# KiCad board Wrap030-Multiuser.kicad_pcb
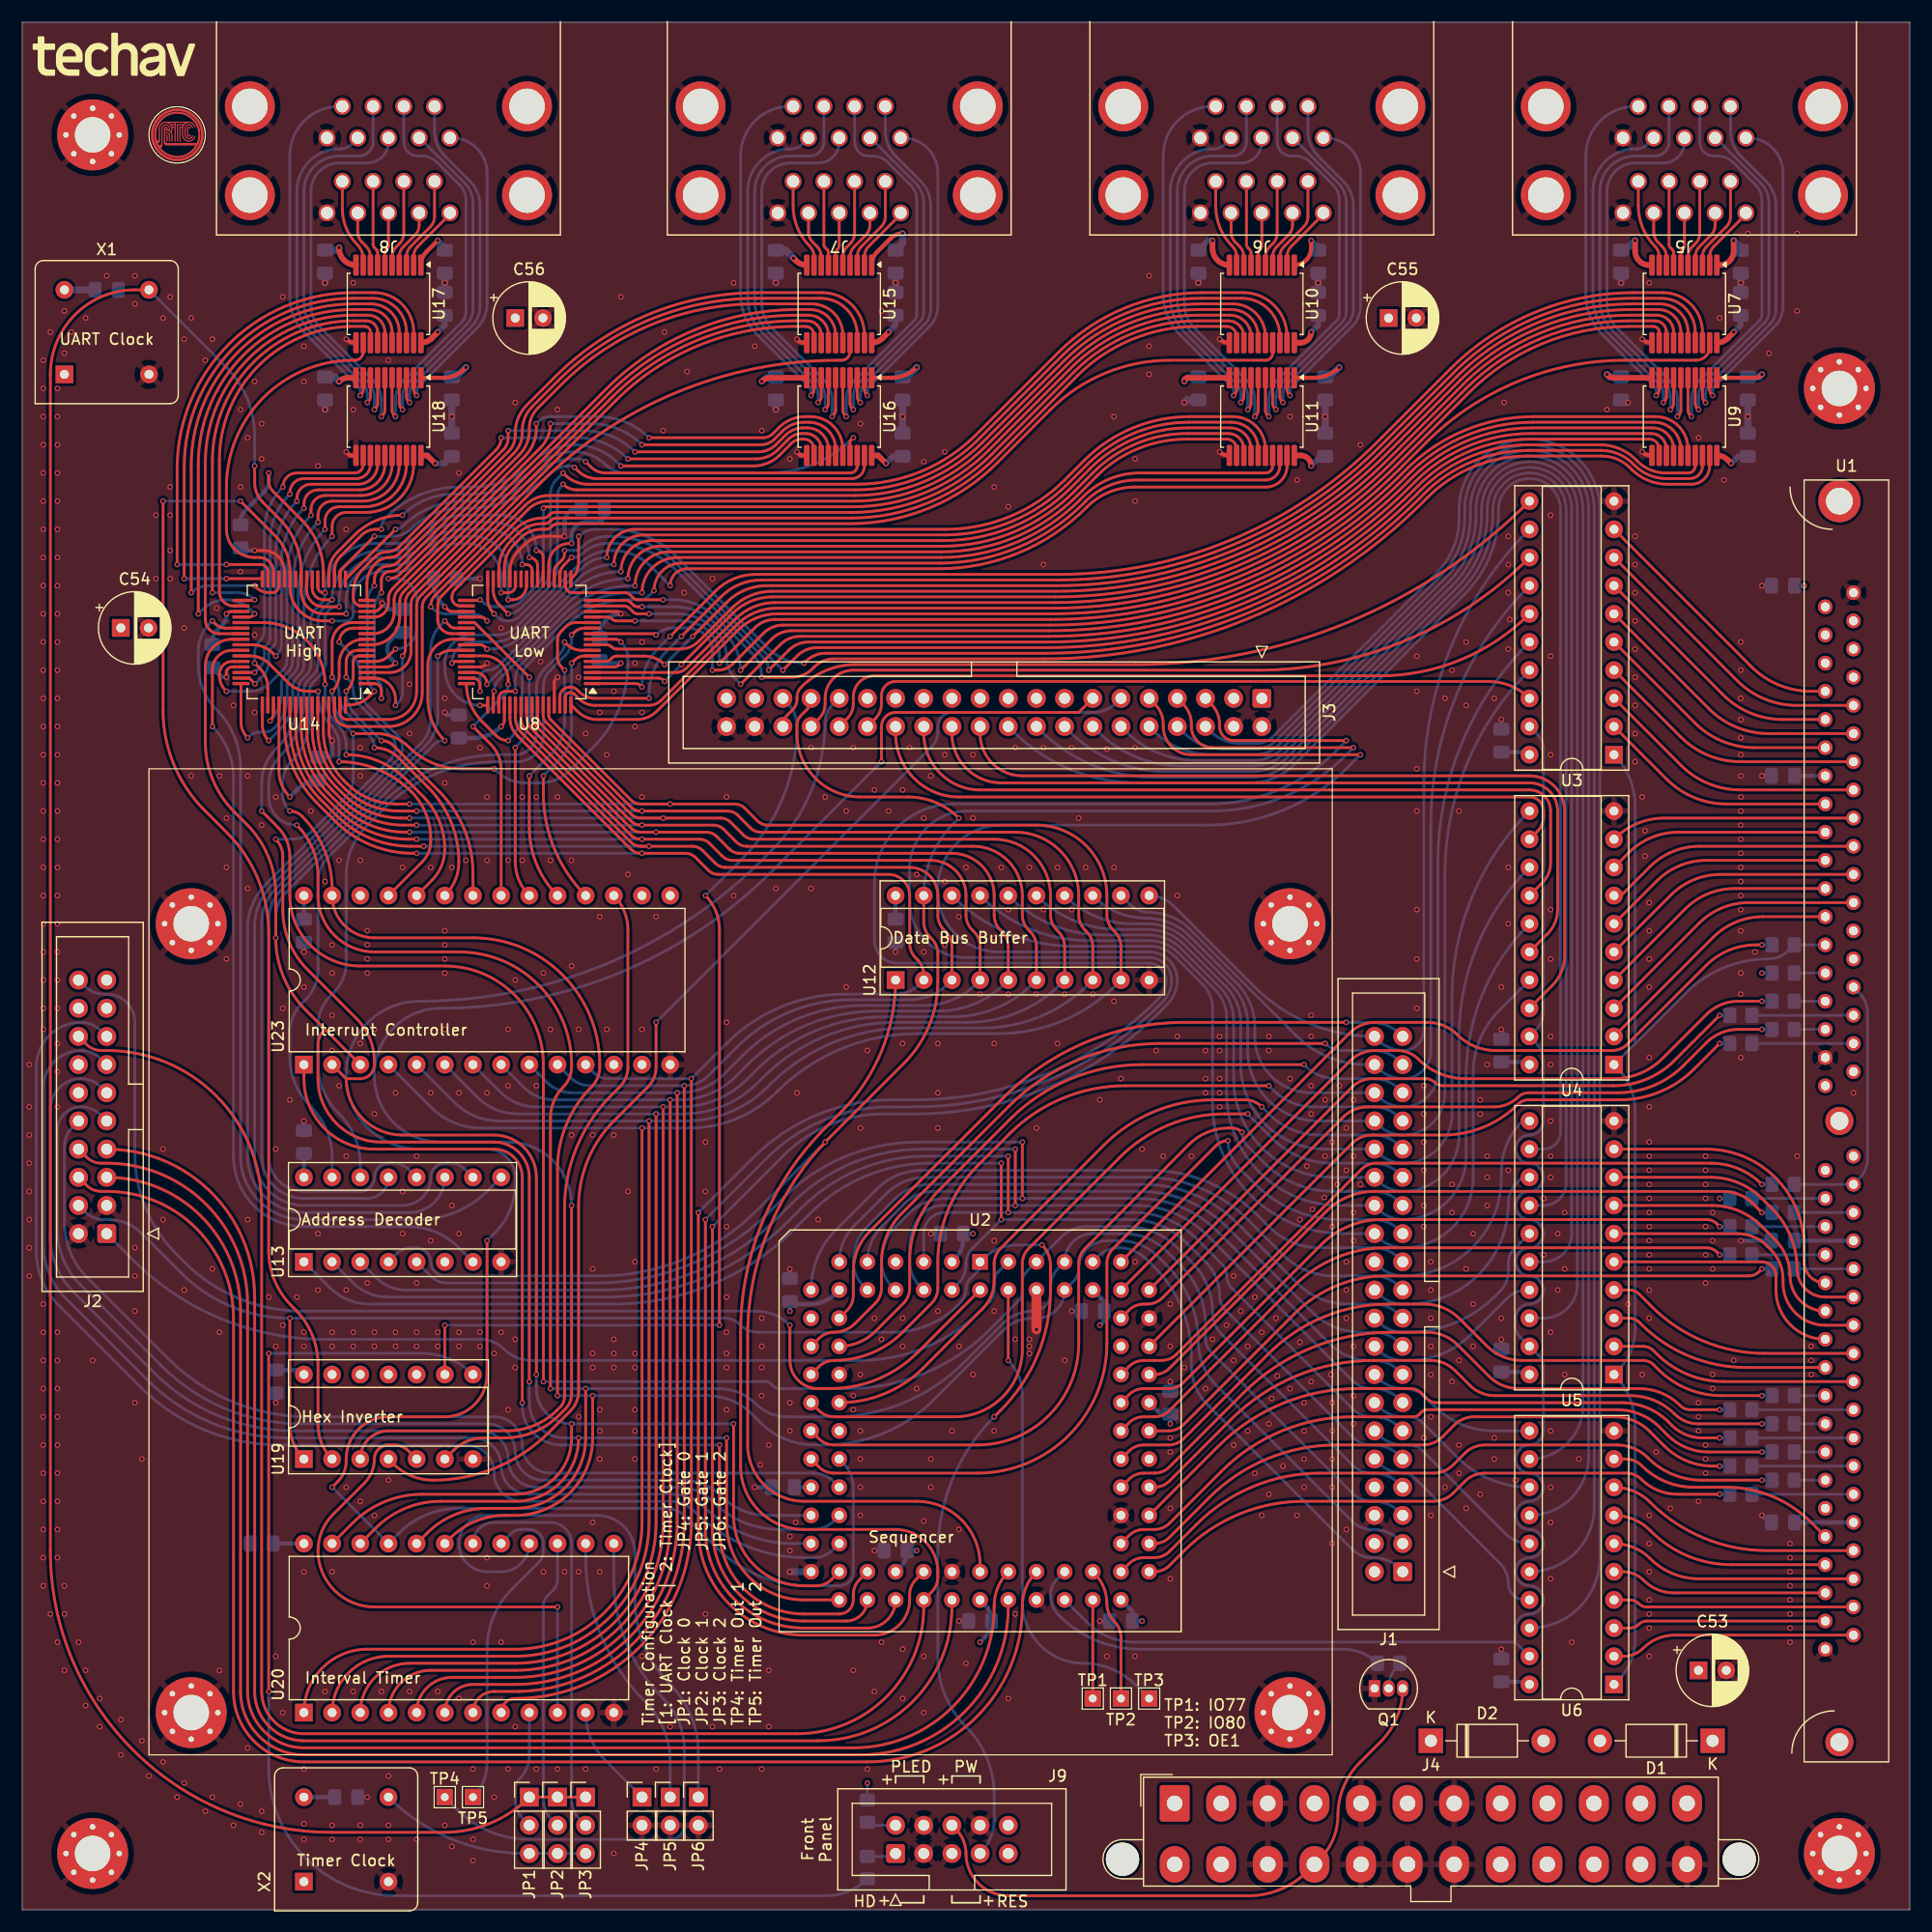
[diagram p0: board, top side]
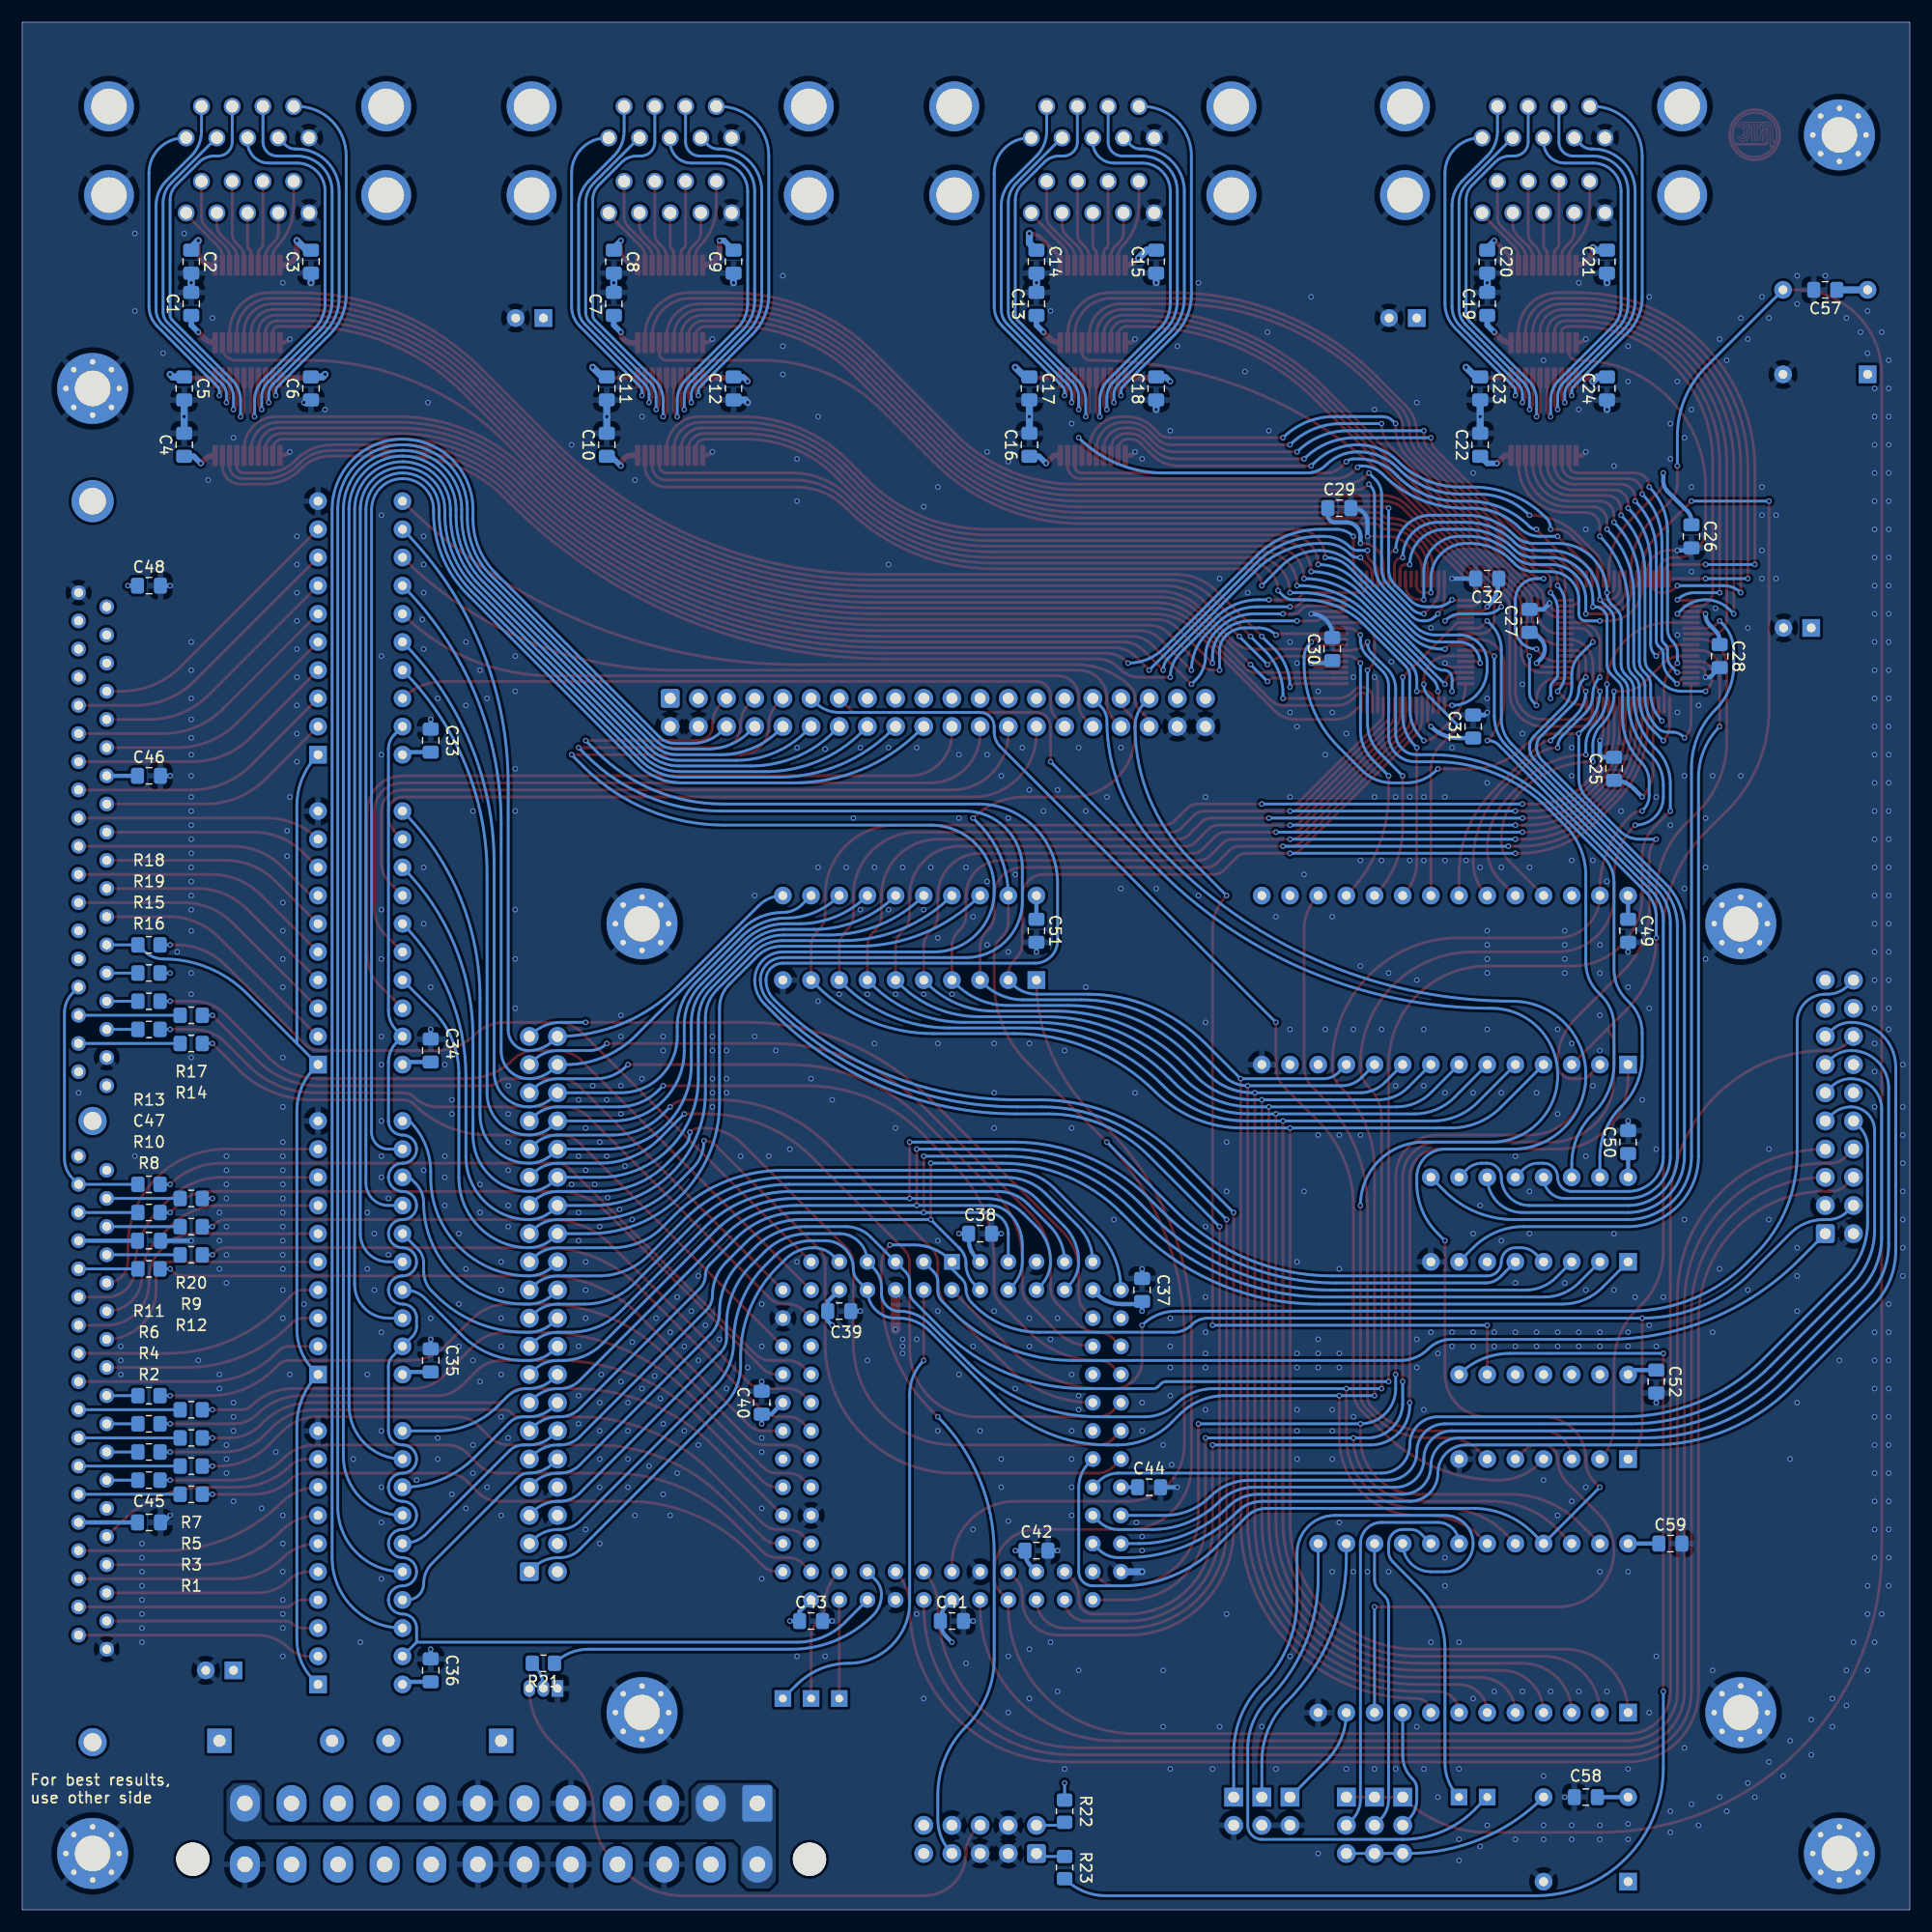
[diagram p1: board, bottom side, seen from below]

Outline 170.18 x 170.18 mm; copper layers: Top, In1.Cu, In2.Cu, Bottom. Coordinates in mm from the lower left corner of the outline.
Outline path: 0,170.18 170.18,170.18 170.18,0 0,0 0,170.18
Stack: Top 0.035mm / dielectric 0.2104mm FR4 er 4.4 / In1.Cu 0.0152mm / dielectric 1.065mm FR4 er 4.6 / In2.Cu 0.0152mm / dielectric 0.2104mm FR4 er 4.4 / Bottom 0.035mm

## Placement (name value [footprint] x y rotation side)
C1  100nF  [C_0805_2012Metric_Pad1.18x1.45mm_HandSolder]  154.94 144.78 90 bottom
C2  100nF  [C_0805_2012Metric_Pad1.18x1.45mm_HandSolder]  154.94 148.59 270 bottom
C3  100nF  [C_0805_2012Metric_Pad1.18x1.45mm_HandSolder]  144.14 148.59 90 bottom
C4  100nF  [C_0805_2012Metric_Pad1.18x1.45mm_HandSolder]  155.57 132.08 90 bottom
C5  100nF  [C_0805_2012Metric_Pad1.18x1.45mm_HandSolder]  155.57 137.16 270 bottom
C6  100nF  [C_0805_2012Metric_Pad1.18x1.45mm_HandSolder]  144.14 137.16 90 bottom
C7  100nF  [C_0805_2012Metric_Pad1.18x1.45mm_HandSolder]  116.84 144.78 90 bottom
C8  100nF  [C_0805_2012Metric_Pad1.18x1.45mm_HandSolder]  116.84 148.59 270 bottom
C9  100nF  [C_0805_2012Metric_Pad1.18x1.45mm_HandSolder]  106.05 148.59 90 bottom
C10  100nF  [C_0805_2012Metric_Pad1.18x1.45mm_HandSolder]  117.48 132.08 90 bottom
C11  100nF  [C_0805_2012Metric_Pad1.18x1.45mm_HandSolder]  117.48 137.16 270 bottom
C12  100nF  [C_0805_2012Metric_Pad1.18x1.45mm_HandSolder]  106.05 137.16 90 bottom
C13  100nF  [C_0805_2012Metric_Pad1.18x1.45mm_HandSolder]  78.74 144.78 90 bottom
C14  100nF  [C_0805_2012Metric_Pad1.18x1.45mm_HandSolder]  78.74 148.59 270 bottom
C15  100nF  [C_0805_2012Metric_Pad1.18x1.45mm_HandSolder]  67.95 148.59 90 bottom
C16  100nF  [C_0805_2012Metric_Pad1.18x1.45mm_HandSolder]  79.38 132.08 90 bottom
C17  100nF  [C_0805_2012Metric_Pad1.18x1.45mm_HandSolder]  79.38 137.16 270 bottom
C18  100nF  [C_0805_2012Metric_Pad1.18x1.45mm_HandSolder]  67.95 137.16 90 bottom
C19  100nF  [C_0805_2012Metric_Pad1.18x1.45mm_HandSolder]  38.1 144.78 90 bottom
C20  100nF  [C_0805_2012Metric_Pad1.18x1.45mm_HandSolder]  38.1 148.59 270 bottom
C21  100nF  [C_0805_2012Metric_Pad1.18x1.45mm_HandSolder]  27.31 148.59 90 bottom
C22  100nF  [C_0805_2012Metric_Pad1.18x1.45mm_HandSolder]  38.73 132.08 90 bottom
C23  100nF  [C_0805_2012Metric_Pad1.18x1.45mm_HandSolder]  38.73 137.16 270 bottom
C24  100nF  [C_0805_2012Metric_Pad1.18x1.45mm_HandSolder]  27.31 137.16 90 bottom
C25  100nF  [C_0805_2012Metric_Pad1.18x1.45mm_HandSolder]  26.67 102.87 90 bottom
C26  100nF  [C_0805_2012Metric_Pad1.18x1.45mm_HandSolder]  19.69 123.83 270 bottom
C27  100nF  [C_0805_2012Metric_Pad1.18x1.45mm_HandSolder]  34.29 116.21 90 bottom
C28  100nF  [C_0805_2012Metric_Pad1.18x1.45mm_HandSolder]  17.14 113.03 270 bottom
C29  100nF  [C_0805_2012Metric_Pad1.18x1.45mm_HandSolder]  51.44 126.37 180 bottom
C30  100nF  [C_0805_2012Metric_Pad1.18x1.45mm_HandSolder]  52.07 113.67 90 bottom
C31  100nF  [C_0805_2012Metric_Pad1.18x1.45mm_HandSolder]  39.37 106.68 90 bottom
C32  100nF  [C_0805_2012Metric_Pad1.18x1.45mm_HandSolder]  38.1 120.02 0 bottom
C33  100nF  [C_0805_2012Metric_Pad1.18x1.45mm_HandSolder]  133.35 105.41 90 bottom
C34  100nF  [C_0805_2012Metric_Pad1.18x1.45mm_HandSolder]  133.35 77.47 90 bottom
C35  100nF  [C_0805_2012Metric_Pad1.18x1.45mm_HandSolder]  133.35 49.53 90 bottom
C36  100nF  [C_0805_2012Metric_Pad1.18x1.45mm_HandSolder]  133.35 21.59 90 bottom
C37  100nF  [C_0805_2012Metric_Pad1.18x1.45mm_HandSolder]  69.22 55.88 90 bottom
C38  100nF  [C_0805_2012Metric_Pad1.18x1.45mm_HandSolder]  83.82 60.96 180 bottom
C39  100nF  [C_0805_2012Metric_Pad1.18x1.45mm_HandSolder]  96.52 53.98 180 bottom
C40  100nF  [C_0805_2012Metric_Pad1.18x1.45mm_HandSolder]  103.51 45.72 90 bottom
C41  100nF  [C_0805_2012Metric_Pad1.18x1.45mm_HandSolder]  86.36 26.04 180 bottom
C42  100nF  [C_0805_2012Metric_Pad1.18x1.45mm_HandSolder]  78.74 32.39 180 bottom
C43  100nF  [C_0805_2012Metric_Pad1.18x1.45mm_HandSolder]  99.06 26.04 180 bottom
C44  100nF  [C_0805_2012Metric_Pad1.18x1.45mm_HandSolder]  68.58 38.1 180 bottom
C45  100nF  [C_0805_2012Metric_Pad1.18x1.45mm_HandSolder]  158.75 34.93 180 bottom
C46  100nF  [C_0805_2012Metric_Pad1.18x1.45mm_HandSolder]  158.75 102.24 180 bottom
C47  100nF  [C_0805_2012Metric_Pad1.18x1.45mm_HandSolder]  158.75 60.33 180 bottom
C48  100nF  [C_0805_2012Metric_Pad1.18x1.45mm_HandSolder]  158.75 119.38 180 bottom
C49  100nF  [C_0805_2012Metric_Pad1.18x1.45mm_HandSolder]  25.4 88.27 270 bottom
C50  100nF  [C_0805_2012Metric_Pad1.18x1.45mm_HandSolder]  25.4 69.22 90 bottom
C51  100nF  [C_0805_2012Metric_Pad1.18x1.45mm_HandSolder]  78.74 88.27 270 bottom
C52  100nF  [C_0805_2012Metric_Pad1.18x1.45mm_HandSolder]  22.86 47.62 270 bottom
C53  10uF  [CP_Radial_D6.3mm_P2.50mm]  151.13 21.59 0 top
C54  10uF  [CP_Radial_D6.3mm_P2.50mm]  8.89 115.57 0 top
C55  10uF  [CP_Radial_D6.3mm_P2.50mm]  123.19 143.51 0 top
C56  10uF  [CP_Radial_D6.3mm_P2.50mm]  44.45 143.51 0 top
C57  100nF  [C_0805_2012Metric_Pad1.18x1.45mm_HandSolder]  7.62 146.05 0 bottom
C58  100nF  [C_0805_2012Metric_Pad1.18x1.45mm_HandSolder]  29.21 10.16 0 bottom
C59  100nF  [C_0805_2012Metric_Pad1.18x1.45mm_HandSolder]  21.59 33.02 180 bottom
D1  1N4001  [D_DO-41_SOD81_P10.16mm_Horizontal]  152.4 15.24 180 top
D2  1N4001  [D_DO-41_SOD81_P10.16mm_Horizontal]  127 15.24 0 top
H1  Hole  [MountingHole_3.2mm_M3_Pad_Via]  6.35 160.02 0 top
H2  Hole  [MountingHole_3.2mm_M3_Pad_Via]  163.83 137.16 0 top
H3  Hole  [MountingHole_3.2mm_M3_Pad_Via]  6.35 5.08 0 top
H4  Hole  [MountingHole_3.2mm_M3_Pad_Via]  163.83 5.08 0 top
H5  Hole  [MountingHole_3.2mm_M3_Pad_Via]  15.24 88.9 0 top
H6  Hole  [MountingHole_3.2mm_M3_Pad_Via]  114.3 88.9 0 top
H7  Hole  [MountingHole_3.2mm_M3_Pad_Via]  15.24 17.78 0 top
H8  Hole  [MountingHole_3.2mm_M3_Pad_Via]  114.3 17.78 0 top
J1  Conn_02x20_Odd_Even  [IDC-Header_2x20_P2.54mm_Vertical]  124.46 30.48 180 top
J2  Conn_02x10_Odd_Even  [IDC-Header_2x10_P2.54mm_Vertical]  7.62 60.96 180 top
J3  Conn_02x20_Odd_Even  [IDC-Header_2x20_P2.54mm_Vertical]  111.76 109.22 270 top
J4  ATX-24  [Molex_Mini-Fit_Jr_5566-24A2_2x12_P4.20mm_Vertical]  103.9 9.6 0 top
J5  -  [DPD-09-11-B3]  149.86 152.99 180 top
J6  -  [DPD-09-11-B3]  111.76 152.99 180 top
J7  -  [DPD-09-11-B3]  73.66 152.99 180 top
J8  -  [DPD-09-11-B3]  33.02 152.99 180 top
J9  Conn_02x05_Odd_Even  [IDC-Header_2x05_P2.54mm_Vertical]  78.74 5.08 90 top
JP1  Jumper_3_Open  [PinHeader_1x03_P2.54mm_Vertical]  45.72 10.16 0 top
JP2  Jumper_3_Open  [PinHeader_1x03_P2.54mm_Vertical]  48.26 10.16 0 top
JP3  Jumper_3_Open  [PinHeader_1x03_P2.54mm_Vertical]  50.8 10.16 0 top
JP4  Jumper_2_Open  [PinHeader_1x02_P2.54mm_Vertical]  55.88 10.16 0 top
JP5  Jumper_2_Open  [PinHeader_1x02_P2.54mm_Vertical]  58.42 10.16 0 top
JP6  Jumper_2_Open  [PinHeader_1x02_P2.54mm_Vertical]  60.96 10.16 0 top
Q1  PN2222A  [TO-92_Inline]  121.92 19.96 0 top
R1  30R  [R_0805_2012Metric_Pad1.20x1.40mm_HandSolder]  154.94 37.47 0 bottom
R2  30R  [R_0805_2012Metric_Pad1.20x1.40mm_HandSolder]  158.75 38.74 0 bottom
R3  30R  [R_0805_2012Metric_Pad1.20x1.40mm_HandSolder]  154.94 40.01 0 bottom
R4  30R  [R_0805_2012Metric_Pad1.20x1.40mm_HandSolder]  158.75 41.28 0 bottom
R5  30R  [R_0805_2012Metric_Pad1.20x1.40mm_HandSolder]  154.94 42.55 0 bottom
R6  30R  [R_0805_2012Metric_Pad1.20x1.40mm_HandSolder]  158.75 43.82 0 bottom
R7  30R  [R_0805_2012Metric_Pad1.20x1.40mm_HandSolder]  154.94 45.09 0 bottom
R8  30R  [R_0805_2012Metric_Pad1.20x1.40mm_HandSolder]  158.75 57.79 0 bottom
R9  30R  [R_0805_2012Metric_Pad1.20x1.40mm_HandSolder]  154.94 61.59 0 bottom
R10  30R  [R_0805_2012Metric_Pad1.20x1.40mm_HandSolder]  158.75 62.87 0 bottom
R11  30R  [R_0805_2012Metric_Pad1.20x1.40mm_HandSolder]  158.75 46.36 0 bottom
R12  30R  [R_0805_2012Metric_Pad1.20x1.40mm_HandSolder]  154.94 59.06 0 bottom
R13  30R  [R_0805_2012Metric_Pad1.20x1.40mm_HandSolder]  158.75 65.41 0 bottom
R14  30R  [R_0805_2012Metric_Pad1.20x1.40mm_HandSolder]  154.94 78.11 0 bottom
R15  30R  [R_0805_2012Metric_Pad1.20x1.40mm_HandSolder]  158.75 81.92 0 bottom
R16  30R  [R_0805_2012Metric_Pad1.20x1.40mm_HandSolder]  158.75 79.38 0 bottom
R17  30R  [R_0805_2012Metric_Pad1.20x1.40mm_HandSolder]  154.94 80.65 0 bottom
R18  30R  [R_0805_2012Metric_Pad1.20x1.40mm_HandSolder]  158.75 87 0 bottom
R19  1k  [R_0805_2012Metric_Pad1.20x1.40mm_HandSolder]  158.75 84.46 0 bottom
R20  1k  [R_0805_2012Metric_Pad1.20x1.40mm_HandSolder]  154.94 64.14 0 bottom
R21  30R  [R_0805_2012Metric_Pad1.20x1.40mm_HandSolder]  123.19 22.23 0 bottom
R22  1k  [R_0805_2012Metric_Pad1.20x1.40mm_HandSolder]  76.2 8.89 270 bottom
R23  1k  [R_0805_2012Metric_Pad1.20x1.40mm_HandSolder]  76.2 3.81 90 bottom
REF**  -  [RTC Round]  13.97 160.02 0 top
TP1  TestPoint  [TestPoint_THTPad_1.5x1.5mm_Drill0.7mm]  96.52 19.05 0 top
TP2  TestPoint  [TestPoint_THTPad_1.5x1.5mm_Drill0.7mm]  99.06 19.05 0 top
TP3  TestPoint  [TestPoint_THTPad_1.5x1.5mm_Drill0.7mm]  101.6 19.05 0 top
TP4  TestPoint  [TestPoint_THTPad_1.5x1.5mm_Drill0.7mm]  38.1 10.16 0 top
TP5  TestPoint  [TestPoint_THTPad_1.5x1.5mm_Drill0.7mm]  40.64 10.16 0 top
U1  TE-822021-4  [SIMM72]  163.83 71.12 270 top
U2  ~  [PLCC-84_THT-Socket]  86.36 58.42 0 top
U3  74LS245  [DIP-20_W7.62mm_Socket]  143.51 104.14 180 top
U4  74LS245  [DIP-20_W7.62mm_Socket]  143.51 76.2 180 top
U5  74LS245  [DIP-20_W7.62mm_Socket]  143.51 48.26 180 top
U6  74LS245  [DIP-20_W7.62mm_Socket]  143.51 20.32 180 top
U7  GD75232DB  [SSOP-20_5.3x7.2mm_P0.65mm]  149.86 144.78 270 top
U8  ST16C554D  [LQFP-64_10x10mm_P0.5mm]  45.72 114.3 180 top
U9  GD75232DB  [SSOP-20_5.3x7.2mm_P0.65mm]  149.86 134.62 270 top
U10  GD75232DB  [SSOP-20_5.3x7.2mm_P0.65mm]  111.76 144.78 270 top
U11  GD75232DB  [SSOP-20_5.3x7.2mm_P0.65mm]  111.76 134.62 270 top
U12  74LS245  [DIP-20_W7.62mm_Socket]  78.74 83.82 90 top
U13  74LS138  [DIP-16_W7.62mm_Socket]  25.4 58.42 90 top
U14  ST16C554D  [LQFP-64_10x10mm_P0.5mm]  25.4 114.3 180 top
U15  GD75232DB  [SSOP-20_5.3x7.2mm_P0.65mm]  73.66 144.78 270 top
U16  GD75232DB  [SSOP-20_5.3x7.2mm_P0.65mm]  73.66 134.62 270 top
U17  GD75232DB  [SSOP-20_5.3x7.2mm_P0.65mm]  33.02 144.78 270 top
U18  GD75232DB  [SSOP-20_5.3x7.2mm_P0.65mm]  33.02 134.62 270 top
U19  74LS04  [DIP-14_W7.62mm_Socket]  25.4 40.64 90 top
U20  8253  [DIP-24_W15.24mm]  25.4 17.78 90 top
U23  8259  [DIP-28_W15.24mm]  25.4 76.2 90 top
X1  1.8432M  [Oscillator_DIP-8]  3.81 138.43 0 top
X2  1M  [Oscillator_DIP-8]  25.4 2.54 0 top

## Library data of the parts
C1-C52 C57-C59 = -: Description: Unpolarized capacitor, small symbol; ki_fp_filters: C_*
C53-C56 = -: Description: Polarized capacitor, small US symbol; ki_fp_filters: CP_*
D1 D2 = -: Datasheet: http://www.vishay.com/docs/88503/1n4001.pdf; Description: 50V 1A General Purpose Rectifier Diode, DO-41; Sim.Device: D; Sim.Pins: 1=K 2=A; ki_fp_filters: D*DO?41*
H1-H8 = -: Description: Mounting Hole with connection; ki_fp_filters: MountingHole*Pad*
J1 J3 = -: Description: Generic connector, double row, 02x20, odd/even pin numbering scheme (row 1 odd numbers, row 2 even numbers), script generated (kicad-library-utils/schlib/autogen/connector/); ki_fp_filters: Connector*:*_2x??_*
J2 = -: Description: Generic connector, double row, 02x10, odd/even pin numbering scheme (row 1 odd numbers, row 2 even numbers), script generated (kicad-library-utils/schlib/autogen/connector/); ki_fp_filters: Connector*:*_2x??_*
J4 = -: Datasheet: https://www.intel.com/content/dam/www/public/us/en/documents/guides/power-supply-design-guide-june.pdf#page=33; Description: ATX Power supply 24pins; ki_fp_filters: *Mini?Fit*2x12*Vertical* *Mini?Fit*2x12*Horizontal*
J5-J8 = -: Datasheet: https://www.mouser.com/datasheet/2/4/dpd_09_11_b3_data_sheet-3396566.pdf; Description: D-Sub Dualport Connectors CONN D-TYPE PLUG 9POS R/A SLDR; Mouser: 737-DPD-09-11-B3
J9 = -: Description: Generic connector, double row, 02x05, odd/even pin numbering scheme (row 1 odd numbers, row 2 even numbers), script generated (kicad-library-utils/schlib/autogen/connector/); ki_fp_filters: Connector*:*_2x??_*
JP1-JP3 = -: Description: Jumper, 3-pole, both open; ki_fp_filters: Jumper* TestPoint*3Pads* TestPoint*Bridge*
JP4-JP6 = -: Description: Jumper, 2-pole, open; ki_fp_filters: Jumper* TestPoint*2Pads* TestPoint*Bridge*
Q1 = -: Datasheet: https://www.onsemi.com/pub/Collateral/PN2222-D.PDF; Description: 1A Ic, 40V Vce, NPN Transistor, General Purpose Transistor, TO-92; ki_fp_filters: TO?92*
R1-R23 = -: Description: Resistor; ki_fp_filters: R_*
TP1-TP5 = -: Description: test point; ki_fp_filters: Pin* Test*
U1 = -: Description: 72-Pin SIMM Connector
U3-U6 U12 = -: Datasheet: http://www.ti.com/lit/gpn/sn74LS245; Description: Octal BUS Transceivers, 3-State outputs; ki_fp_filters: DIP?20*
U7 U9-U11 U15-U18 = -: Datasheet: http://www.ti.com/lit/ds/symlink/gd75232.pdf; Description: Multiple RS-232 Driver and Receiver, SSOP-20; ki_fp_filters: SSOP*5.3x7.2mm*P0.65mm*
U8 U14 = -: Datasheet: https://www.mouser.com/datasheet/2/146/ST16C554_ST16C554D_ST68C554-1889097.pdf; Description: Quad UARTs with 16-Byte FIFO; Mouser: 701-ST16C554DIQ64-F; JLC: C60458
U13 = -: Datasheet: http://www.ti.com/lit/gpn/sn74LS138; Description: Decoder 3 to 8 active low outputs; ki_fp_filters: DIP?16*
U19 = -: Datasheet: http://www.ti.com/lit/gpn/sn74LS04; Description: Hex Inverter; ki_fp_filters: DIP*W7.62mm* SSOP?14* TSSOP?14*
U20 = -: Datasheet: http://www.cpcwiki.eu/imgs/e/e3/8253.pdf; Description: Programmable Interval Timer, PDIP-24; ki_fp_filters: DIP*W15.24mm*
U23 = -: Datasheet: http://pdos.csail.mit.edu/6.828/2005/readings/hardware/8259A.pdf; Description: 8259, Programmable Interrupt Controller, PDIP-28; ki_fp_filters: DIP*W15.24mm*
X1 X2 = -: Datasheet: http://cdn-reichelt.de/documents/datenblatt/B400/OSZI.pdf; Description: Crystal Clock Oscillator, DIP8-style metal package; ki_fp_filters: Oscillator*DIP*8*

## Footprints (pads in the part's own frame, mm; a bottom-side part is the same pattern mirrored in y, then rotated)
C_0805_2012Metric_Pad1.18x1.45mm_HandSolder
  rrect 1.175x1.45 smd: 1(-1.038,0) 2(1.038,0)
CP_Radial_D6.3mm_P2.50mm
  rect 1.6x1.6 hole 0.8: 1(0,0)
  round 1.6 hole 0.8: 2(2.5,0)
D_DO-41_SOD81_P10.16mm_Horizontal
  rect 2.2x2.2 hole 1.1: 1(0,0)
  oval 2.2x2.2 hole 1.1: 2(10.16,0)
DIP-14_W7.62mm_Socket
  rect 1.6x1.6 hole 0.8: 1(0,0)
  oval 1.6x1.6 hole 0.8: 2(0,-2.54) 3(0,-5.08) 4(0,-7.62) 5(0,-10.16) 6(0,-12.7) 7(0,-15.24) 8(7.62,-15.24) 9(7.62,-12.7) 10(7.62,-10.16) 11(7.62,-7.62) 12(7.62,-5.08) 13(7.62,-2.54) 14(7.62,0)
DIP-16_W7.62mm_Socket
  rect 1.6x1.6 hole 0.8: 1(0,0)
  oval 1.6x1.6 hole 0.8: 2(0,-2.54) 3(0,-5.08) 4(0,-7.62) 5(0,-10.16) 6(0,-12.7) 7(0,-15.24) 8(0,-17.78) 9(7.62,-17.78) 10(7.62,-15.24) 11(7.62,-12.7) 12(7.62,-10.16) 13(7.62,-7.62) 14(7.62,-5.08) 15(7.62,-2.54) 16(7.62,0)
DIP-20_W7.62mm_Socket
  rect 1.6x1.6 hole 0.8: 1(0,0)
  oval 1.6x1.6 hole 0.8: 2(0,-2.54) 3(0,-5.08) 4(0,-7.62) 5(0,-10.16) 6(0,-12.7) 7(0,-15.24) 8(0,-17.78) 9(0,-20.32) 10(0,-22.86) 11(7.62,-22.86) 12(7.62,-20.32) 13(7.62,-17.78) 14(7.62,-15.24) 15(7.62,-12.7) 16(7.62,-10.16) 17(7.62,-7.62) 18(7.62,-5.08) 19(7.62,-2.54) 20(7.62,0)
DIP-24_W15.24mm
  rect 1.6x1.6 hole 0.8: 1(0,0)
  oval 1.6x1.6 hole 0.8: 2(0,-2.54) 3(0,-5.08) 4(0,-7.62) 5(0,-10.16) 6(0,-12.7) 7(0,-15.24) 8(0,-17.78) 9(0,-20.32) 10(0,-22.86) 11(0,-25.4) 12(0,-27.94) 13(15.24,-27.94) 14(15.24,-25.4) 15(15.24,-22.86) 16(15.24,-20.32) 17(15.24,-17.78) 18(15.24,-15.24) 19(15.24,-12.7) 20(15.24,-10.16) 21(15.24,-7.62) 22(15.24,-5.08) 23(15.24,-2.54) 24(15.24,0)
DIP-28_W15.24mm
  rect 1.6x1.6 hole 0.8: 1(0,0)
  oval 1.6x1.6 hole 0.8: 2(0,-2.54) 3(0,-5.08) 4(0,-7.62) 5(0,-10.16) 6(0,-12.7) 7(0,-15.24) 8(0,-17.78) 9(0,-20.32) 10(0,-22.86) 11(0,-25.4) 12(0,-27.94) 13(0,-30.48) 14(0,-33.02) 15(15.24,-33.02) 16(15.24,-30.48) 17(15.24,-27.94) 18(15.24,-25.4) 19(15.24,-22.86) 20(15.24,-20.32) 21(15.24,-17.78) 22(15.24,-15.24) 23(15.24,-12.7) 24(15.24,-10.16) 25(15.24,-7.62) 26(15.24,-5.08) 27(15.24,-2.54) 28(15.24,0)
DPD-09-11-B3
  round 1.524 hole 1.1: A1(-5.54,0) A2(-2.77,0) A3(0,0) A4(2.77,0) A5(5.54,0) A6(-4.155,-2.84) A7(-1.385,-2.84) A8(1.385,-2.84) A9(4.155,-2.84) B1(-5.54,-6.76) B2(-2.77,-6.76) B3(0,-6.76) B4(2.77,-6.76) B5(5.54,-6.76) B6(-4.155,-9.6) B7(-1.385,-9.6) B8(1.385,-9.6) B9(4.155,-9.6)
  round 4.5 hole 3.2: S(-12.495,-1.6) S(-12.495,-9.6) S(12.495,-1.6) S(12.495,-9.6)
IDC-Header_2x05_P2.54mm_Vertical
  rrect 1.7x1.7 hole 1: 1(0,0)
  round 1.7 hole 1: 2(2.54,0) 3(0,-2.54) 4(2.54,-2.54) 5(0,-5.08) 6(2.54,-5.08) 7(0,-7.62) 8(2.54,-7.62) 9(0,-10.16) 10(2.54,-10.16)
IDC-Header_2x10_P2.54mm_Vertical
  rrect 1.7x1.7 hole 1: 1(0,0)
  round 1.7 hole 1: 2(2.54,0) 3(0,-2.54) 4(2.54,-2.54) 5(0,-5.08) 6(2.54,-5.08) 7(0,-7.62) 8(2.54,-7.62) 9(0,-10.16) 10(2.54,-10.16) 11(0,-12.7) 12(2.54,-12.7) 13(0,-15.24) 14(2.54,-15.24) 15(0,-17.78) 16(2.54,-17.78) 17(0,-20.32) 18(2.54,-20.32) 19(0,-22.86) 20(2.54,-22.86)
IDC-Header_2x20_P2.54mm_Vertical
  rrect 1.7x1.7 hole 1: 1(0,0)
  round 1.7 hole 1: 2(2.54,0) 3(0,-2.54) 4(2.54,-2.54) 5(0,-5.08) 6(2.54,-5.08) 7(0,-7.62) 8(2.54,-7.62) 9(0,-10.16) 10(2.54,-10.16) 11(0,-12.7) 12(2.54,-12.7) 13(0,-15.24) 14(2.54,-15.24) 15(0,-17.78) 16(2.54,-17.78) 17(0,-20.32) 18(2.54,-20.32) 19(0,-22.86) 20(2.54,-22.86) 21(0,-25.4) 22(2.54,-25.4) 23(0,-27.94) 24(2.54,-27.94) 25(0,-30.48) 26(2.54,-30.48) 27(0,-33.02) 28(2.54,-33.02) 29(0,-35.56) 30(2.54,-35.56) 31(0,-38.1) 32(2.54,-38.1) 33(0,-40.64) 34(2.54,-40.64) 35(0,-43.18) 36(2.54,-43.18) 37(0,-45.72) 38(2.54,-45.72) 39(0,-48.26) 40(2.54,-48.26)
LQFP-64_10x10mm_P0.5mm
  rrect 1.55x0.3 smd: 1(-5.675,3.75) 2(-5.675,3.25) 3(-5.675,2.75) 4(-5.675,2.25) 5(-5.675,1.75) 6(-5.675,1.25) 7(-5.675,0.75) 8(-5.675,0.25) 9(-5.675,-0.25) 10(-5.675,-0.75) 11(-5.675,-1.25) 12(-5.675,-1.75) 13(-5.675,-2.25) 14(-5.675,-2.75) 15(-5.675,-3.25) 16(-5.675,-3.75) 33(5.675,-3.75) 34(5.675,-3.25) 35(5.675,-2.75) 36(5.675,-2.25) 37(5.675,-1.75) 38(5.675,-1.25) 39(5.675,-0.75) 40(5.675,-0.25) 41(5.675,0.25) 42(5.675,0.75) 43(5.675,1.25) 44(5.675,1.75) 45(5.675,2.25) 46(5.675,2.75) 47(5.675,3.25) 48(5.675,3.75)
  rrect 0.3x1.55 smd: 17(-3.75,-5.675) 18(-3.25,-5.675) 19(-2.75,-5.675) 20(-2.25,-5.675) 21(-1.75,-5.675) 22(-1.25,-5.675) 23(-0.75,-5.675) 24(-0.25,-5.675) 25(0.25,-5.675) 26(0.75,-5.675) 27(1.25,-5.675) 28(1.75,-5.675) 29(2.25,-5.675) 30(2.75,-5.675) 31(3.25,-5.675) 32(3.75,-5.675) 49(3.75,5.675) 50(3.25,5.675) 51(2.75,5.675) 52(2.25,5.675) 53(1.75,5.675) 54(1.25,5.675) 55(0.75,5.675) 56(0.25,5.675) 57(-0.25,5.675) 58(-0.75,5.675) 59(-1.25,5.675) 60(-1.75,5.675) 61(-2.25,5.675) 62(-2.75,5.675) 63(-3.25,5.675) 64(-3.75,5.675)
Molex_Mini-Fit_Jr_5566-24A2_2x12_P4.20mm_Vertical
  round 3 hole 3 unplated: (-4.7,-5.04) (50.9,-5.04)
  rrect 2.7x3.3 hole 1.4: 1(0,0)
  oval 2.7x3.3 hole 1.4: 2(4.2,0) 3(8.4,0) 4(12.6,0) 5(16.8,0) 6(21,0) 7(25.2,0) 8(29.4,0) 9(33.6,0) 10(37.8,0) 11(42,0) 12(46.2,0) 13(0,-5.5) 14(4.2,-5.5) 15(8.4,-5.5) 16(12.6,-5.5) 17(16.8,-5.5) 18(21,-5.5) 19(25.2,-5.5) 20(29.4,-5.5) 21(33.6,-5.5) 22(37.8,-5.5) 23(42,-5.5) 24(46.2,-5.5)
MountingHole_3.2mm_M3_Pad_Via
  round 0.8 hole 0.5: 1(-2.4,0) 1(-1.697,1.697) 1(-1.697,-1.697) 1(0,2.4) 1(0,-2.4) 1(1.697,1.697) 1(1.697,-1.697) 1(2.4,0)
  round 6.4 hole 3.2: 1(0,0)
Oscillator_DIP-8
  rect 1.6x1.6 hole 0.8: 1(0,0)
  round 1.6 hole 0.8: 4(7.62,0) 5(7.62,7.62) 8(0,7.62)
PinHeader_1x02_P2.54mm_Vertical
  rect 1.7x1.7 hole 1: 1(0,0)
  oval 1.7x1.7 hole 1: 2(0,-2.54)
PinHeader_1x03_P2.54mm_Vertical
  rect 1.7x1.7 hole 1: 1(0,0)
  oval 1.7x1.7 hole 1: 2(0,-2.54) 3(0,-5.08)
PLCC-84_THT-Socket
  rect 1.422x1.422 hole 0.8: 1(0,0)